# Altium PCB mainPcb.PcbDoc
Units mm, origin at the board's own origin, x right, y up, seen from the top; angles counter-clockwise.
Board outline 191.25 x 92.14 mm, 2 copper layers (Top Layer, Bottom Layer); 57 components, 50 nets, 242 pads, 0 vias.
Unrouted connection lines stored in the file: 18.
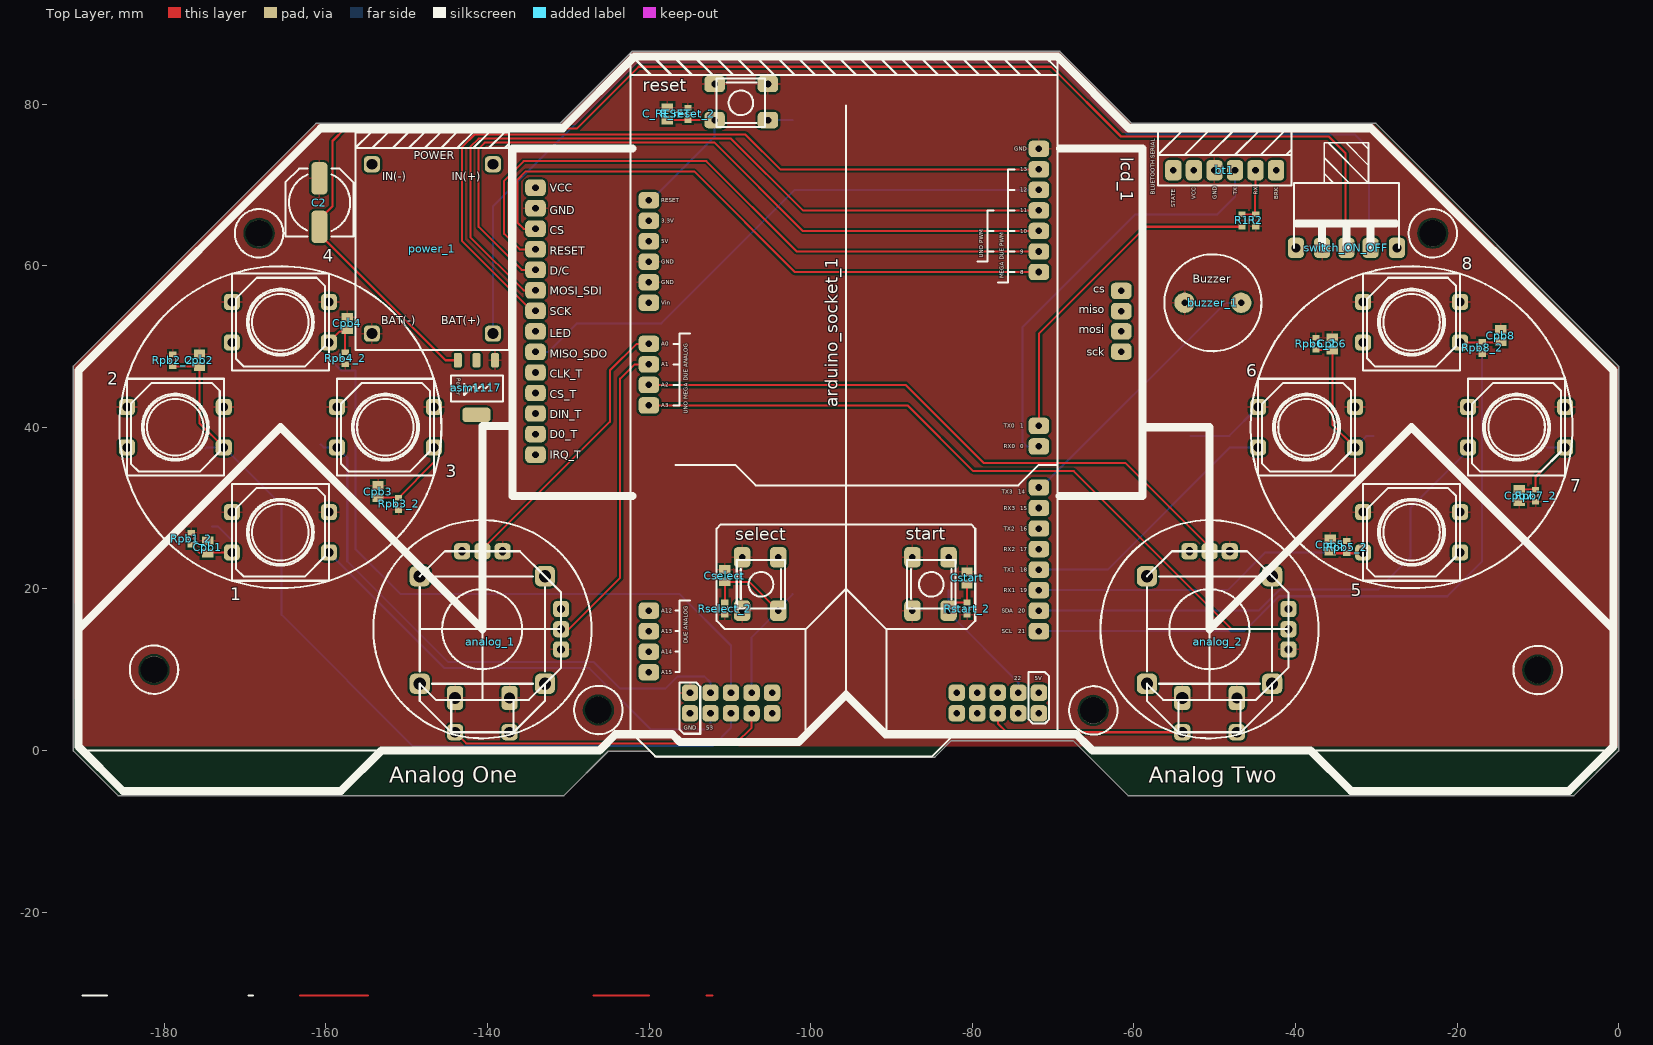
[diagram p0: Top Layer view]
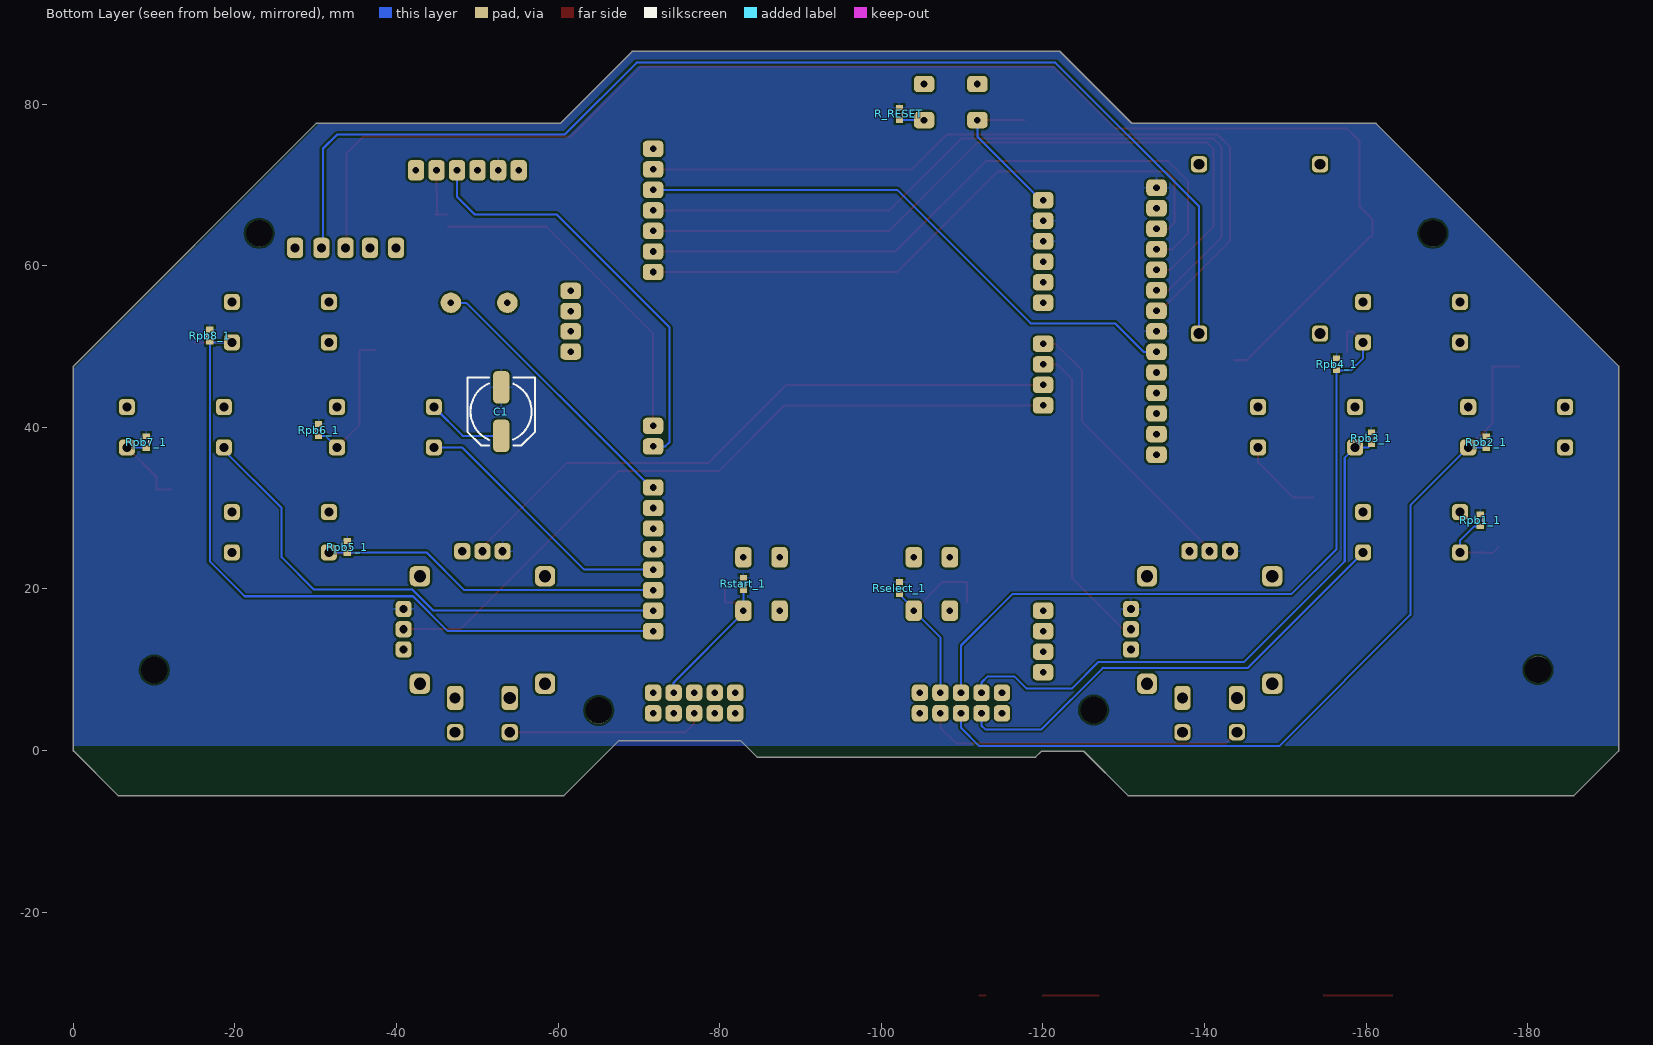
[diagram p1: Bottom Layer view, seen from below]

## Layer stack, top to bottom
Top Solder: solder mask 0.0102, Solder Resist, Dk 3.5
Top Layer: signal copper 0.0356
Dielectric 1: dielectric 0.32, FR-4, Dk 4.8
Bottom Layer: signal copper 0.0356
Bottom Solder: solder mask 0.0102, Solder Resist, Dk 3.5

## Board outline
-185.718,-5.59 ccw(c-185.627,-5.5) -185.627,-5.627 -130.627,-5.627 ccw(c-130.627,-5.5) -130.537,-5.59 -125.047,-0.099 -119.81,-0.099 -119.085,-0.824 -119.086,-0.824 ccw(c-118.995,-0.734) -118.995,-0.861 -84.705,-0.861 ccw(c-84.705,-0.734) -84.615,-0.824 -82.621,1.171 -67.478,1.171 -65.999,-0.308 -60.717,-5.59 -60.718,-5.59 ccw(c-60.627,-5.5) -60.627,-5.627 -5.627,-5.627 ccw(c-5.627,-5.5) -5.537,-5.59 -0.037,-0.09 -0.038,-0.09 ccw(c-0.127,0) 0,0 0,47.5 ccw(c-0.127,47.5) -0.038,47.591 -0.037,47.59 -30.037,77.59 ccw(c-30.127,77.5) -30.127,77.627 -60.271,77.627 -69.121,86.478 ccw(c-69.211,86.388) -69.211,86.515 -122.043,86.515 ccw(c-122.043,86.388) -122.134,86.478 -122.133,86.478 -130.984,77.627 -161.127,77.627 ccw(c-161.127,77.5) -161.218,77.59 -161.217,77.59 -191.217,47.59 -191.217,47.591 ccw(c-191.127,47.5) -191.255,47.5 -191.255,0 ccw(c-191.127,0) -191.217,-0.09

## Design rules (kind name [scope] priority, off if disabled: settings)
Clearance [All] p1: gap=0.254
ComponentClearance [All] p1: gap=0.152 collisioncheckmode=3 verticalgap=0.152 showdistances=FALSE
PolygonConnect [All] p1: connectstyle=Relief reliefconductorwidth=0.254 reliefentries=4 polygonreliefangle="90 Angle" airgapwidth=0.254
RoutingVias [All] p1: holewidth=0.711 width=1.27 viastyle="Through Hole" minholewidth=0.711 minwidth=1.27 maxholewidth=0.711 maxwidth=1.27
SolderMaskExpansion [All] p1: expansion=0.102
Width [All] p1: maxlimit=0.254 minlimit=0.254 preferedwidth=0.254
29 further rules are at their usual default settings.

## Components (designator, comment, footprint, x,y, rotation, side; value= is the part's Value field where it differs from the comment)
1 "Pb" PCBComponent_1#1 -159.627,21 r90 top
2 "Pb" PCBComponent_1#1 -172.627,34 r90 top
3 "Pb" PCBComponent_1#1 -146.627,34 r90 top
4 "Pb" PCBComponent_1#1 -159.627,47 r90 top
5 "Pb" PCBComponent_1#1 -19.627,21 r90 top
6 "Pb" PCBComponent_1#1 -32.627,34 r90 top
7 "Pb" PCBComponent_1#1 -6.627,34 r90 top
8 "Pb" PCBComponent_1#1 -19.627,47 r90 top
analog_1 "Component_1" PCBComponent_1#2 -140.627,15 r90 top (schematic designator analog_2)
analog_2 "Component_1" PCBComponent_1#2 -50.627,15 r90 top (schematic designator analog_1)
arduino_socket_1 "Component_1" arduino_due_cutPin -120.011,37.62 r0 top
asm1117 "Component_1" sot223_plasticPackage -139.061,48.288 r180 top
bt1 "bluetoothSerial_1" bluetoothSerial_header -55.1,71.8 r0 top
buzzer_1 "buzzer_sch_1" buzzer_pcb_1 -53.717,55.4 r0 top
C1 "Cap2" capaEletrolitic_100uF_25v_smd -52.955,41.938 r180 bottom
C2 "Cap2" capaEletrolitic_100uF_25v_smd -160.8,67.8 r180 top
C_RESET "Cap Pol3" C0805 -117.725,78.768 r90 top
Cpb1 "Cap Pol3" C0805 -174.621,25.174 r90 top
Cpb2 "Cap Pol3" C0805 -175.637,48.288 r90 top
Cpb3 "Cap Pol3" C0805 -153.539,32.032 r90 top
Cpb4 "Cap Pol3" C0805 -157.349,52.86 r90 top
Cpb5 "Cap Pol3" C0805 -35.683,25.428 r90 top
Cpb6 "Cap Pol3" C0805 -35.429,50.32 r90 top
Cpb7 "Cap Pol3" C0805 -12.315,31.524 r270 top
Cpb8 "Cap Pol3" C0805 -14.601,51.336 r90 top
Cselect "Cap Pol3" C0805 -110.613,21.618 r90 top
Cstart "Cap Pol3" C0805 -80.641,21.364 r90 top
lcd_1 "lcd_TOUCH_SDCARD" PCB_LCDandTOUCH -59.051,53.114 r0 top
power_1 "tp4056_1" tp4056pcb_1 -156.333,49.558 r0 top
R1 "Res3" J1-0603 -46.6,65.6 r270 top
R2 "Res3" J1-0603 -44.9,65.6 r90 top
R_RESET "Res3" J1-0603 -102.231,78.768 r90 bottom
R_reset_2 "Res3" J1-0603 -115.185,78.768 r270 top
reset "Component_1" pb_6mm_1 -111.883,78.006 r0 top
Rpb1_1 "Res3" J1-0603 -174.113,28.476 r90 bottom
Rpb1_2 "Res3" J1-0603 -176.653,26.19 r270 top
Rpb2_1 "Res3" J1-0603 -174.875,38.128 r90 bottom
Rpb2_2 "Res3" J1-0603 -178.939,48.288 r270 top
Rpb3_1 "Res3" J1-0603 -160.651,38.636 r90 bottom
Rpb3_2 "Res3" J1-0603 -150.999,30.508 r90 top
Rpb4_1 "Res3" J1-0603 -156.333,47.78 r90 bottom
Rpb4_2 "Res3" J1-0603 -157.603,48.542 r90 top
Rpb5_1 "Res3" J1-0603 -33.905,25.174 r90 bottom
Rpb5_2 "Res3" J1-0603 -33.651,25.174 r270 top
Rpb6_1 "Res3" J1-0603 -30.349,39.652 r90 bottom
Rpb6_2 "Res3" J1-0603 -37.461,50.32 r270 top
Rpb7_1 "Res3" J1-0603 -9.013,38.128 r90 bottom
Rpb7_2 "Res3" J1-0603 -10.283,31.524 r90 top
Rpb8_1 "Res3" J1-0603 -16.887,51.336 r90 bottom
Rpb8_2 "Res3" J1-0603 -16.887,49.812 r90 top
Rselect_1 "Res3" J1-0603 -102.231,20.094 r90 bottom
Rselect_2 "Res3" J1-0603 -110.613,17.554 r90 top
Rstart_1 "Res3" J1-0603 -82.927,20.602 r90 bottom
Rstart_2 "Res3" J1-0603 -80.641,17.554 r90 top
select "Component_1" PCBComponent_1#3 -104.009,17.3 r90 top
start "Component_1" PCBComponent_1#3 -82.927,17.3 r90 top
switch_ON_OFF "switch_ON_OFF_1" PCBComponent_1#4 -33.7,62.2 r0 top

## Footprints (in the part's own frame and the unit in brackets; to place one, negate y for a bottom-side part, rotate by r counter-clockwise, add the part's x,y. Pads: shape width x height; smd on the part's side, far side on the other; paste and mask are expansions set on the pad)
arduino_due_cutPin [mil]
  rrect50% 100x80 hole 32: 0(1900,0) 1(1900,100) 3.3V(0,1100) 5V(0,1000) 8(1900,850) 9(1900,950) 10(1900,1050) 11(1900,1150) 12(1900,1250) 13(1900,1350) 14(1900,-200) 15(1900,-300) 16(1900,-400) 17(1900,-500) 18(1900,-600) 19(1900,-700) 20(1900,-800) 21(1900,-900) A0(0,500) A1(0,400) A2(0,300) A3(0,200) A12(0,-800) A13(0,-900) A14(0,-1000) A15(0,-1100) GND1(1900,1450) GND2(0,900) GND3(0,800) RESET(0,1200) Vin(0,700)
  rrect50% 80x80 hole 32: 5V_a(1900,-1200) 5V_b(1900,-1300) 22(1800,-1200) 23(1800,-1300) 24(1700,-1200) 25(1700,-1300) 26(1600,-1200) 27(1600,-1300) 28(1500,-1200) 29(1500,-1300) 46(600,-1200) 47(600,-1300) 48(500,-1200) 49(500,-1300) 50(400,-1200) 51(400,-1300) 52(300,-1200) 53(300,-1300) GND4(200,-1200) GND5(200,-1300)
  silkscreen extent -90,-1510 1990,1910, body extent -80,-1520 2020,2554, height 103
bluetoothSerial_header [mil]
  rrect50% 80x100 hole 32: BRK_BT(500,0) GND_BT(200,0) RX_BT(400,0) STATE_BT(0,0) TX_BT(300,0) VCC_BT(100,0)
  silkscreen extent -75,-75 575,200
buzzer_pcb_1 [mil]
  round 100 hole 32: 1(0,0) 2(275.59,0)
  silkscreen extent -98,-236 374,236, body extent -98,-236 373,236, height 295
C0805 [mm] "Chip Capacitor, Body 2.0x1.3mm, IPC High Density"
  rect 1.1x1.4 smd: 1(-0.75,0) 2(0.75,0)
  body extent -1.1,-0.72 1.1,0.72, height 1.4
capaEletrolitic_100uF_25v_smd [mm]
  rrect50% 2x4 smd: 1(0,3) 2(0,-3)
  silkscreen extent -4.2,-4.2 4.2,4.2, body extent -4.15,-4.4 4.15,4.6, height 11.9
J1-0603 [mm] "Chip Resistor, Body 1.6x0.8mm, IPC High Density"
  rect 0.7x0.9 smd: 1(-0.75,0) 2(0.75,0)
  silkscreen extent -0.2,-0.35 0.2,0.35, body extent -0.85,-0.48 0.85,0.48, height 0.9
pb_6mm_1 [mil]
  rrect50% 100x80 hole 32: 1(0,0) 2(260,0) 3(0,176) 4(260,176)
  silkscreen extent 10,-34 246,202, body extent -33,-30 290,206, height 374
PCB_LCDandTOUCH [mm]
  rrect50% 2.54x2.032 hole 0.813: CS(-75,11.44) cs_sd(-2.5,3.75) DC(-75,6.36) GND(-75,13.98) LED(-75,-1.26) miso_sd(-2.5,-1.25) MISO_SDO(-75,-3.8) mosi_sd(-2.5,1.25) MOSI_SDI(-75,3.82) RESET(-75,8.9) SCK(-75,1.28) sck_sd(-2.5,-3.75) T_CLK(-75,-6.34) T_CS(-75,-8.88) T_D0(-75,-13.96) T_DIN(-75,-11.42) T_IRQ(-75,-16.5) VCC(-75,16.52)
  body extent -78,-21.5 0,21.5, height 8.13
PCBComponent_1#1 [mm]
  rrect50% 2x2 hole 1.1: 1(3.5,0) 2(3.5,12) 3(8.5,0) 4(8.5,12)
  silkscreen extent 0,0 12,12, body extent 0,-0.93 12,12.93, height 11
PCBComponent_1#2 [mm]
  rrect50% 2.5x2.5 hole 1.5: 0(-6.75,-7.75) 1(6.55,-7.75) 2(-6.75,7.75) 3(6.55,7.75)
  rrect50% 2x2 hole 1: 4(-2.5,-9.75) 5(0,-9.75) 6(2.5,-9.75) 7(9.65,-2.5) 8(9.65,0) 9(9.65,2.5)
  rrect50% 2x2 hole 1.35: 10(-12.75,3.375) 12(-12.75,-3.375)
  rrect50% 3x2 hole 1.5: 11(-8.5,3.375)
  rrect50% 3x2 hole 1.35: 13(-8.5,-3.375)
  silkscreen extent -12.75,-9.75 9.65,7.75, body extent -16.08,-11.78 11.8,9.52, height 19
PCBComponent_1#3 [mm]
  rrect50% 2.54x2.032 hole 0.813: 1(0,0) 2(6.604,0) 3(0,4.47) 4(6.604,4.47)
  silkscreen extent 0.25,-0.86 6.25,5.14, body extent -0.85,-0.77 7.37,5.23, height 9.5
PCBComponent_1#4 [mm]
  rrect50% 2x2.5 hole 1.1: 1(-3,0) 2(0,0) 3(3,0) bulk_1(-6.25,0) bulk_2(6.25,0)
  silkscreen extent -6.5,0 6.5,13, body extent -6.53,-0.6 6.47,12.3, height 6
sot223_plasticPackage [mm]
  rrect50% 1x1.8 smd: 1(0,0) 2(2.3,0) 3(4.6,0)
  rrect50% 3.5x1.8 smd: 6(2.3,6.75)
  silkscreen extent -1.02,1.91 5.46,5.08, body extent -1.04,-0.07 5.46,6.93, height 1.49
tp4056pcb_1 [mm]
  rrect50% 2x2 hole 1.35: 1(2.032,22.987) 2(2.032,2.032) 3(17.018,22.987) 4(17.018,2.032)
  silkscreen extent 0,0 19,26.9, body extent 0,-0.1 19,26.83, height 8.2

## Part data
1 2 3 4 5 6 7 8: library part Component_1
C1 C2: "Capacitor"
C_RESET Cpb1 Cpb2 Cpb3 Cpb4 Cpb5 Cpb6 Cpb7 Cpb8 Cselect Cstart: "Polarized Capacitor (Surface Mount)"
R1 R2 R_RESET R_reset_2 Rpb1_1 Rpb1_2 Rpb2_1 Rpb2_2 Rpb3_1 Rpb3_2 Rpb4_1 Rpb4_2 Rpb5_1 Rpb5_2 Rpb6_1 Rpb6_2 Rpb7_1 Rpb7_2 Rpb8_1 Rpb8_2 Rselect_1 Rselect_2 Rstart_1 Rstart_2: "Resistor"

## Free pads (board coordinates)
  oval 3x3.3 hole 3.3: hole_1(-181.265,10) hole_2(-126.265,5) hole_3(-65.015,4.951) hole_4(-10.015,9.951) hole_5(-23,64) hole_6(-168.265,64)

## Nets (pads, with @x,y where several pads share a name; then routed paths per layer and width w, separated by ;. In a path a pad name is that pad's centre, name@x,y a point inside that pad or via, vN(x,y) a via of type N, cw(c..) or ccw(c..) an arc to the next point about the centre after c; other vN are vias at no path point)
+3V3: analog_1.6 analog_1.9 analog_2.6 analog_2.9 arduino_socket_1.3.3V arduino_socket_1.5V asm1117.2 bt1.VCC_BT C1.1 lcd_1.LED lcd_1.VCC R_RESET.2 Rpb1_1.2 Rpb2_1.2 Rpb3_1.2 Rpb4_1.2 Rpb5_1.2 Rpb6_1.2 Rpb7_1.2 Rpb8_1.2 Rselect_1.2 Rstart_1.2
AD0: analog_1.8 arduino_socket_1.A0 | length 35.1
  Top Layer w0.254: analog_1.8 -140.627,24.878 -124.837,40.668 -124.837,47.018 -121.535,50.32 arduino_socket_1.A0
AD1: analog_1.5 arduino_socket_1.A1 | length 38.9
  Top Layer w0.254: analog_1.5 -129.931,15 -123.567,21.364 -123.567,46.002 -121.789,47.78 arduino_socket_1.A1
AD2: analog_2.8 arduino_socket_1.A2 | length 78.2
  Top Layer w0.254: arduino_socket_1.A2 -88.261,45.24 -78.609,35.588 -61.083,35.588 -50.627,25.132 analog_2.8
AD3: analog_2.5 arduino_socket_1.A3 | length 90.6
  Top Layer w0.254: arduino_socket_1.A3 -88.007,42.7 -79.879,34.572 -67.433,34.572 -47.861,15 analog_2.5
AD4/SDA: 
AD5/SCL: 
AD12: arduino_socket_1.A12
AD13: arduino_socket_1.A13
AD14: arduino_socket_1.A14
AD15: arduino_socket_1.A15
AREF: 
GND: 1.3 1.4 2.3 2.4 3.3 3.4 4.3 4.4 5.3 5.4 6.3 6.4 7.3 7.4 8.3 8.4 analog_1.4 analog_1.7 analog_1.11 analog_1.13 analog_2.4 analog_2.7 analog_2.11 analog_2.13 arduino_socket_1.GND1 arduino_socket_1.GND2 arduino_socket_1.GND3 arduino_socket_1.GND4 asm1117.1 bt1.GND_BT buzzer_1.1 C1.2 C2.2 C_RESET.2 Cpb1.2 Cpb2.2 Cpb3.2 Cpb4.2 Cpb5.2 Cpb6.2 Cpb7.2 Cpb8.2 Cselect.2 Cstart.2 lcd_1.GND power_1.2 R2.1 R_reset_2.1 reset.3 reset.4 Rpb1_2.1 Rpb2_2.1 Rpb3_2.1 Rpb4_2.1 Rpb5_2.1 Rpb6_2.1 Rpb7_2.1 Rpb8_2.1 Rselect_2.1 Rstart_2.1 select.3 select.4 start.3 start.4 switch_ON_OFF.1 | length 10.6
  Bottom Layer w0.254: C1.2 -48.189,38.938 6.4 ; 6.3@-33.397,42.7 -32.889,42.7 6.3@-32.689,42.5
IO8: arduino_socket_1.8 lcd_1.CS | length 78
  Top Layer w0.254: lcd_1.CS -135.515,64.554 -136.277,65.316 -136.277,70.63 -135.251,71.656 -114.423,71.656 -101.977,59.21 arduino_socket_1.8
IO9: arduino_socket_1.9 lcd_1.RESET | length 83.1
  Top Layer w0.254: lcd_1.RESET -136.023,62.014 -137.934,63.925 -137.934,70.497 -135.505,72.926 -112.899,72.926 -101.723,61.75 arduino_socket_1.9
IO14: arduino_socket_1.14 buzzer_1.2 | length 34.5
  Bottom Layer w0.254: arduino_socket_1.14 -71.497,32.54 -48.637,55.4 buzzer_1.2
IO15: arduino_socket_1.15
IO16: arduino_socket_1.16
IO17: arduino_socket_1.17
IO18: 6.1 6.2 arduino_socket_1.18 Cpb6.1 Rpb6_1.1 Rpb6_2.2 | length 51.5
  Top Layer w0.254: Rpb6_2.2 Cpb6.1 -35.429,40.302 6.1
  Bottom Layer w0.254: arduino_socket_1.18 -63.22,22.38 -48.1,37.5 6.2 ; 6.1 -31.237,38.89 Rpb6_1.1@-30.361,38.89
IO19: 5.1 5.2 arduino_socket_1.19 Cpb5.1 Rpb5_1.1 Rpb5_2.2 | length 45.6
  Top Layer w0.254: Cpb5.1@-35.151,24.4 -33.651,24.4 -31.727,24.4 5.2
  Bottom Layer w0.254: arduino_socket_1.19 -48.383,19.84 -43.723,24.5 5.2
IO20: 7.1 7.2 arduino_socket_1.20 Cpb7.1 Rpb7_1.1 Rpb7_2.2 | length 76
  Top Layer w0.254: Cpb7.1@-12.061,32.274 Rpb7_2.2 -10.283,33.844 7.1
  Bottom Layer w0.254: arduino_socket_1.20 -44.573,17.3 -41.954,19.919 -29.762,19.919 -25.777,23.904 -25.777,30 -18.627,37.15 7.2 ; Rpb7_1.1@-8.891,37.5 7.1
IO21: 8.1 8.2 arduino_socket_1.21 Cpb8.1 Rpb8_1.1 Rpb8_2.2 | length 92.9
  Top Layer w0.254: 8.1 Cpb8.1@-15.023,50.5
  Bottom Layer w0.254: arduino_socket_1.21 -46.351,14.76 -42.033,19.078 -21.205,19.078 -16.887,23.396 -16.887,50.5 8.1
IO22: arduino_socket_1.22 Cstart.1 Rstart_1.1 Rstart_2.2 start.1 start.2 | length 21.3
  Top Layer w0.254: start.1 -81.923,18.304 Rstart_2.2 Cstart.1
  Bottom Layer w0.254: Rstart_1.1 start.1 -82.927,17.046 -74.291,8.41 arduino_socket_1.22
IO23: arduino_socket_1.23
IO24: arduino_socket_1.24
IO25: analog_2.10 analog_2.12 arduino_socket_1.25 | length 24.5
  Top Layer w0.254: arduino_socket_1.25 -76.831,3.33 -75.751,2.25 analog_2.10
IO26: arduino_socket_1.26
IO27: arduino_socket_1.27
IO28: arduino_socket_1.28
IO29: arduino_socket_1.29
IO46: arduino_socket_1.46
IO47: arduino_socket_1.47
IO48: arduino_socket_1.48 Cselect.1 lcd_1.cs_sd Rselect_1.1 Rselect_2.2 select.1 select.2 | length 25.2
  Top Layer w0.254: Rselect_2.2 Cselect.1 -107.577,20.868 select.1
  Bottom Layer w0.254: arduino_socket_1.48 -107.311,13.998 select.1 -104.009,17.566 Rselect_1.1 ; select.2 select.2@-103.755,23.904
IO49: analog_1.10 analog_1.12 arduino_socket_1.49 | length 39.8
  Top Layer w0.254: analog_1.10 -142.621,0.869 -109.264,0.869 -107.311,2.822 arduino_socket_1.49
IO50: 4.1 4.2 arduino_socket_1.50 Cpb4.1 lcd_1.miso_sd Rpb4_1.1 Rpb4_2.2 | length 90.4
  Top Layer w0.254: 4.1 -158.271,51.856 -157.603,51.856 Rpb4_2.2
  Bottom Layer w0.254: 4.1 -159.627,48.534 -158.111,47.018 -156.333,47.018 -156.333,24.92 -150.745,19.332 -116.201,19.332 -109.851,12.982 arduino_socket_1.50
IO51: 2.1 2.2 arduino_socket_1.51 Cpb2.1 lcd_1.mosi_sd Rpb2_1.1 Rpb2_2.2 | length 105.6
  Top Layer w0.254: Rpb2_2.2 Cpb2.1 -175.637,40.51 2.1
  Bottom Layer w0.254: Rpb2_1.1 -174.753,37.5 2.1 -165.477,30.35 -165.477,16.792 -149.221,0.536 -112.137,0.536 -109.851,2.822 arduino_socket_1.51
IO52: 3.1 3.2 arduino_socket_1.52 Cpb3.1 lcd_1.sck_sd Rpb3_1.1 Rpb3_2.2 | length 81.1
  Top Layer w0.254: Cpb3.1 -150.987,31.282 -146.627,35.642 3.1
  Bottom Layer w0.254: Rpb3_1.1 -160.265,37.5 3.2 -157.349,36.222 -157.349,23.396 -144.903,10.95 -126.869,10.95 -123.567,7.648 -117.979,7.648 -116.455,9.172 -113.153,9.172 -112.391,8.41 arduino_socket_1.52
IO53: 1.1 1.2 arduino_socket_1.53 Cpb1.1 Rpb1_1.1 Rpb1_2.2 | length 67.9
  Top Layer w0.254: Rpb1_2.2@-176.387,25.186 -175.625,24.424 Cpb1.1 -174.545,24.5 1.2
  Bottom Layer w0.254: Rpb1_1.1 -173.363,27.726 -171.627,25.99 1.2 ; 1.1@-159.635,24.412 1.1@-159.635,24.492 ; 1.1 -145.315,10.188 -127.377,10.188 -119.757,2.568 -112.899,2.568 -112.391,3.076 arduino_socket_1.53
MISO/IO12: arduino_socket_1.12 lcd_1.MISO_SDO | length 70.6
  Bottom Layer w0.254: lcd_1.MISO_SDO -132.457,49.314 -128.911,52.86 -118.487,52.86 -101.977,69.37 arduino_socket_1.12
MOSI/IO11: arduino_socket_1.11 lcd_1.MOSI_SDI | length 96.8
  Top Layer w0.254: lcd_1.MOSI_SDI -135.515,56.934 -142.109,63.528 -142.109,74.704 -141.093,75.72 -109.851,75.72 -100.961,66.83 arduino_socket_1.11 arduino_socket_1.11@-72.015,66.567
Netasm1117_3: asm1117.3 C2.1 switch_ON_OFF.2 | length 180.4
  Top Layer w0.254: C2.1@-160.8,63.6 -160.5,63.6 -145.188,48.288 asm1117.3 ; C2.1@-160.8,63.9 -160.8,65.713 -159.175,67.338 -159.175,75.418 -157.603,76.99 -128.901,76.99 -121.281,84.61 -70.227,84.61 -61.591,75.974 -35.874,75.974 -33.8,73.9 switch_ON_OFF.2@-33.8,62.747
Netbt1_RX_BT: bt1.RX_BT R1.1 R2.2 | length 7.3
  Top Layer w0.254: R1.1@-46.351,66.31 R2.2@-45,66.31 ; R2.2@-45,66.3 R2.2@-45,66.31 ; bt1.RX_BT -44.94,68.84 -45,68.9 R2.2@-45,66.31 ; R2.2@-44.74,66.31 R2.2@-45,66.31
Netpower_1_4: power_1.4 switch_ON_OFF.3 | length 147.7
  Bottom Layer w0.254: power_1.4 -139.315,67.338 -121.535,85.118 -69.719,85.118 -60.829,76.228 -32.635,76.228 -30.9,74.493 switch_ON_OFF.3@-30.9,62.747
RESET: arduino_socket_1.RESET C_RESET.1 R_RESET.1 R_reset_2.2 reset.1 reset.2 | length 22.3
  Top Layer w0.254: C_RESET.1 -117.713,78.006 reset.1
  Bottom Layer w0.254: arduino_socket_1.RESET -119.757,68.1 -111.883,75.974 reset.1 ; reset.2 -102.243,78.006 R_RESET.1
RX/IO0: arduino_socket_1.0 bt1.TX_BT | length 52.7
  Bottom Layer w0.254: arduino_socket_1.0 -73.275,37.62 -73.783,38.128 -73.783,52.352 -59.813,66.322 -49.678,66.322 -47.48,68.52 bt1.TX_BT
SCK/IO13: arduino_socket_1.13 lcd_1.SCK | length 98.1
  Top Layer w0.254: lcd_1.SCK -134.499,54.394 -143.125,63.02 -143.125,74.704 -141.601,76.228 -108.073,76.228 -103.755,71.91 arduino_socket_1.13
SS/IO10: arduino_socket_1.10 lcd_1.DC | length 93.1
  Top Layer w0.254: lcd_1.DC -135.769,59.474 -141.093,64.798 -141.093,74.45 -140.331,75.212 -111.883,75.212 -100.961,64.29 arduino_socket_1.10
TX/IO1: arduino_socket_1.1 R1.2 | length 42.3
  Top Layer w0.254: arduino_socket_1.1 -71.751,51.59 -58.531,64.81 R1.2@-46.351,64.81
VIN: arduino_socket_1.Vin
pads on no net: analog_1.0 analog_1.1 analog_1.2 analog_1.3 analog_2.0 analog_2.1 analog_2.2 analog_2.3 arduino_socket_1.5V_a arduino_socket_1.5V_b arduino_socket_1.GND5 asm1117.6 bt1.BRK_BT bt1.STATE_BT lcd_1.T_CLK lcd_1.T_CS lcd_1.T_D0 lcd_1.T_DIN lcd_1.T_IRQ power_1.1 power_1.3 switch_ON_OFF.bulk_1 switch_ON_OFF.bulk_2
copper on no net: | length 19.6
  Top Layer w0.254: -159.635,-30.356 -163.191,-30.356 -158.873,-30.356 -156.587,-30.356 -154.809,-30.356 ; -126.869,-30.356 -120.011,-30.356 ; -112.899,-30.356 -112.137,-30.356

## Polygon pours and split planes (outlines as drawn)
+3V3 on Bottom Layer "Bottom Layer-No Net" (solid, pour order 4): -191.1,0.5 -191,0.6 -0.1,0.6 -0.1,47.3 -30.2,77.4 -30.427,77.627 -60.271,77.627 -60.29,77.627 -69.163,86.5 -69.188,86.526 -122.043,86.526 -122.086,86.526 -130.984,77.627 -130.995,77.638 -161.127,77.638 -161.185,77.638 -191.225,47.598 -191.2,47.573 -191.2,0.6
GND on Top Layer "Bottom Layer-No Net" (solid, pour order 6): -191,0.5 -0.2,0.5 -0.1,0.6 0.01,0.71 0.01,47.5 -0.3,47.5 -30.4,77.6 -30.427,77.627 -60.271,77.627 -60.323,77.627 -69.211,86.515 -69.222,86.526 -122.043,86.526 -122.086,86.526 -130.984,77.627 -130.998,77.614 -161.172,77.614 -161.175,77.614 -191.24,47.549

## Silkscreen, mask and mechanical layers (free items; w line width, h text height)
Top Overlay:
  circle w0.254: c-65.015,4.951 r3
  circle w0.254: c-126.265,5 r3
  circle w0.254: c-10.015,9.951 r3
  circle w0.254: c-181.265,10 r3
  circle w0.254: c-168.265,64 r3
  circle w0.254: c-23,64 r3
  circle w0.254: c-50.627,15 r13.5
  circle w0.254: c-25.627,40 r19.925
  circle w0.254: c-140.627,15 r13.5
  circle w0.254: c-165.627,40 r19.925
  lines w0.25: -100.627,2.14 -100.627,15 -110.599,15 -111.629,16.03 -111.629,27.46 -111.121,27.968 -80.133,27.968 -79.625,27.46 -79.625,16.03 -80.655,15 -90.627,15 -90.627,2.14
  lines w0.254: -190.627,0 -153.127,0 ; -190.115,-30.356 -187.067,-30.356 ; -169.541,-30.356 -169.033,-30.356 ; -100.627,15 -95.627,20 ; -95.627,6.886 -95.627,40 ; -95.627,79.784 -95.627,30 -95.627,20 ; -90.627,15 -95.627,20 ; -38.127,0 -0.627,0 ; -165.627,40 -165.627,40 ; -0.627,15 -0.627,15
  lines w1: -137.537,40.16 -140.585,40.16 -140.627,40.118 -140.627,15 -165.627,40 -190.627,15 ; -122.067,31.5 -136.902,31.5 -136.902,74.5 -122.043,74.5 ; -69.187,31.5 -58.924,31.5 -58.924,74.5 -69.161,74.5 ; -60.575,76.99 -69.465,85.88 -121.789,85.88 -130.669,77 -160.627,77 -190.627,47 -190.627,15 ; -60.575,77 -30.627,77 -0.627,47 -0.627,0.5 -6.127,-5 -33.127,-5 -38.127,0 -65.127,0 -65.627,0.5 -67.127,2 -74.127,2 -90.741,2 -95.627,6.886 -101.469,1.044 -116.171,1.044 -117.127,2 -124.127,2 -126.127,0 -153.127,0 -158.127,-5 -185.127,-5 -190.627,0.5 -190.627,15 ; -58.83,40 -50.627,40 -50.627,15 -25.627,40 -0.627,15
  text "Analog One" at -152.127,-4 h2
  text "Analog Two" at -58.127,-4 h2
Mechanical 1:
  lines w0.254: -66.155,0.028 -60.627,-5.5 -5.627,-5.5 -0.127,0 -0.127,47.5 -30.127,77.5 -60.323,77.5 -69.211,86.388 -122.043,86.388 -130.931,77.5 -161.127,77.5 -191.127,47.5 -191.127,0 -185.627,-5.5 -130.627,-5.5 -125.099,0.028 -119.757,0.028 -118.995,-0.734 -84.705,-0.734 -82.673,1.298 -67.425,1.298 -65.909,-0.218 ; -125.127,0 -125.127,0

## Text inside footprints (layer, text, board x,y; h text height)
arduino_socket_1: Top Overlay "MEGA DUE PWM" at -76.069,58.448 h0.51 r90; Top Overlay "RX0" at -76.069,37.366 h0.51; Top Overlay "TX0" at -76.069,39.906 h0.51; Top Overlay "5V" at -72.259,8.664 h0.51; Top Overlay "GND" at -115.693,2.568 h0.51; Top Overlay "53" at -112.899,2.568 h0.51; Top Overlay "22" at -74.799,8.664 h0.51; Top Overlay "SCL" at -76.323,14.506 h0.51; Top Overlay "SDA" at -76.323,17.046 h0.51; Top Overlay "RX3" at -76.069,29.746 h0.51; Top Overlay "RX2" at -76.069,24.666 h0.51; Top Overlay "RX1" at -76.069,19.586 h0.51; Top Overlay "TX3" at -76.323,31.778 h0.51; Top Overlay "TX2" at -76.069,27.206 h0.51; Top Overlay "TX1" at -76.069,22.126 h0.51; Top Overlay "21" at -74.291,14.506 h0.51; Top Overlay "20" at -74.291,17.046 h0.51; Top Overlay "19" at -74.037,19.586 h0.51; Top Overlay "18" at -74.037,22.126 h0.51; Top Overlay "17" at -74.037,24.666 h0.51; Top Overlay "16" at -74.037,27.206 h0.51; Top Overlay "15" at -74.037,29.746 h0.51; Top Overlay "14" at -74.291,31.778 h0.51; Top Overlay "A15" at -118.487,9.426 h0.51; Top Overlay "A14" at -118.487,11.966 h0.51; Top Overlay "A13" at -118.487,14.506 h0.51; Top Overlay "A12" at -118.487,17.046 h0.51; Top Overlay "A3" at -118.487,42.446 h0.51; Top Overlay "A2" at -118.487,44.986 h0.51; Top Overlay "A1" at -118.487,47.526 h0.51; Top Overlay "A0" at -118.487,50.066 h0.51; Top Overlay "Vin" at -118.487,55.146 h0.51; Top Overlay "GND" at -118.487,57.686 h0.51; Top Overlay "GND" at -118.487,60.226 h0.51; Top Overlay "5V" at -118.487,62.766 h0.51; Top Overlay "3.3V" at -118.487,65.306 h0.51; Top Overlay "RESET" at -118.487,67.846 h0.51; Top Overlay "0" at -74.037,37.366 h0.51; Top Overlay "1" at -74.037,39.906 h0.51; Top Overlay "8" at -74.037,58.956 h0.51; Top Overlay "9" at -74.037,61.496 h0.51; Top Overlay "10" at -74.037,64.036 h0.51; Top Overlay "13" at -74.037,71.656 h0.51; Top Overlay "11" at -74.037,66.576 h0.51; Top Overlay "12" at -74.037,69.116 h0.51; Top Overlay "GND" at -74.799,74.196 h0.51; Top Overlay "UNO PWM" at -78.609,60.988 h0.51 r90; Top Overlay "DUE ANALOG" at -115.185,13.236 h0.51 r90; Top Overlay "UNO MEGA DUE ANALOG" at -115.185,41.684 h0.51 r90
asm1117: Top Overlay "Power" at -143.811,46.038 h0.51 r270
bt1: Top Overlay "BRK" at -42.146,68.244 h0.51 r90; Top Overlay "RX" at -44.686,68.752 h0.51 r90; Top Overlay "TX" at -47.226,68.752 h0.51 r90; Top Overlay "GND" at -49.766,68.244 h0.51 r90; Top Overlay "VCC" at -52.306,68.244 h0.51 r90; Top Overlay "STATE" at -54.846,67.228 h0.51 r90; Top Overlay "BLUETOOTH SERIAL" at -57.386,68.752 h0.51 r90
buzzer_1: Top Overlay "Buzzer" at -52.717,57.9 h1.02
lcd_1: Top Overlay "cs" at -65.051,56.614 h1.02; Top Overlay "mosi" at -66.801,51.614 h1.02; Top Overlay "miso" at -66.801,54.114 h1.02; Top Overlay "sck" at -65.801,48.864 h1.02; Top Overlay "IRQ_T" at -132.301,36.114 h1.02; Top Overlay "D0_T" at -132.301,38.614 h1.02; Top Overlay "DIN_T" at -132.301,41.114 h1.02; Top Overlay "CS_T" at -132.301,43.614 h1.02; Top Overlay "CLK_T" at -132.301,46.114 h1.02; Top Overlay "MISO_SDO" at -132.301,48.614 h1.02; Top Overlay "LED" at -132.301,51.114 h1.02; Top Overlay "SCK" at -132.301,53.864 h1.02; Top Overlay "MOSI_SDI" at -132.301,56.364 h1.02; Top Overlay "D/C" at -132.301,58.864 h1.02; Top Overlay "RESET" at -132.301,61.364 h1.02; Top Overlay "CS" at -132.301,63.864 h1.02; Top Overlay "GND" at -132.301,66.364 h1.02; Top Overlay "VCC" at -132.301,69.114 h1.02
power_1: Top Overlay "IN(+)" at -144.433,70.558 h1.02; Top Overlay "BAT(+)" at -145.733,52.758 h1.02; Top Overlay "POWER" at -149.133,73.158 h1.02; Top Overlay "IN(-)" at -153.033,70.558 h1.02; Top Overlay "BAT(-)" at -153.133,52.758 h1.02